# Altium PCB PCB_v6.PcbDoc (part 1 of 7) (continued)
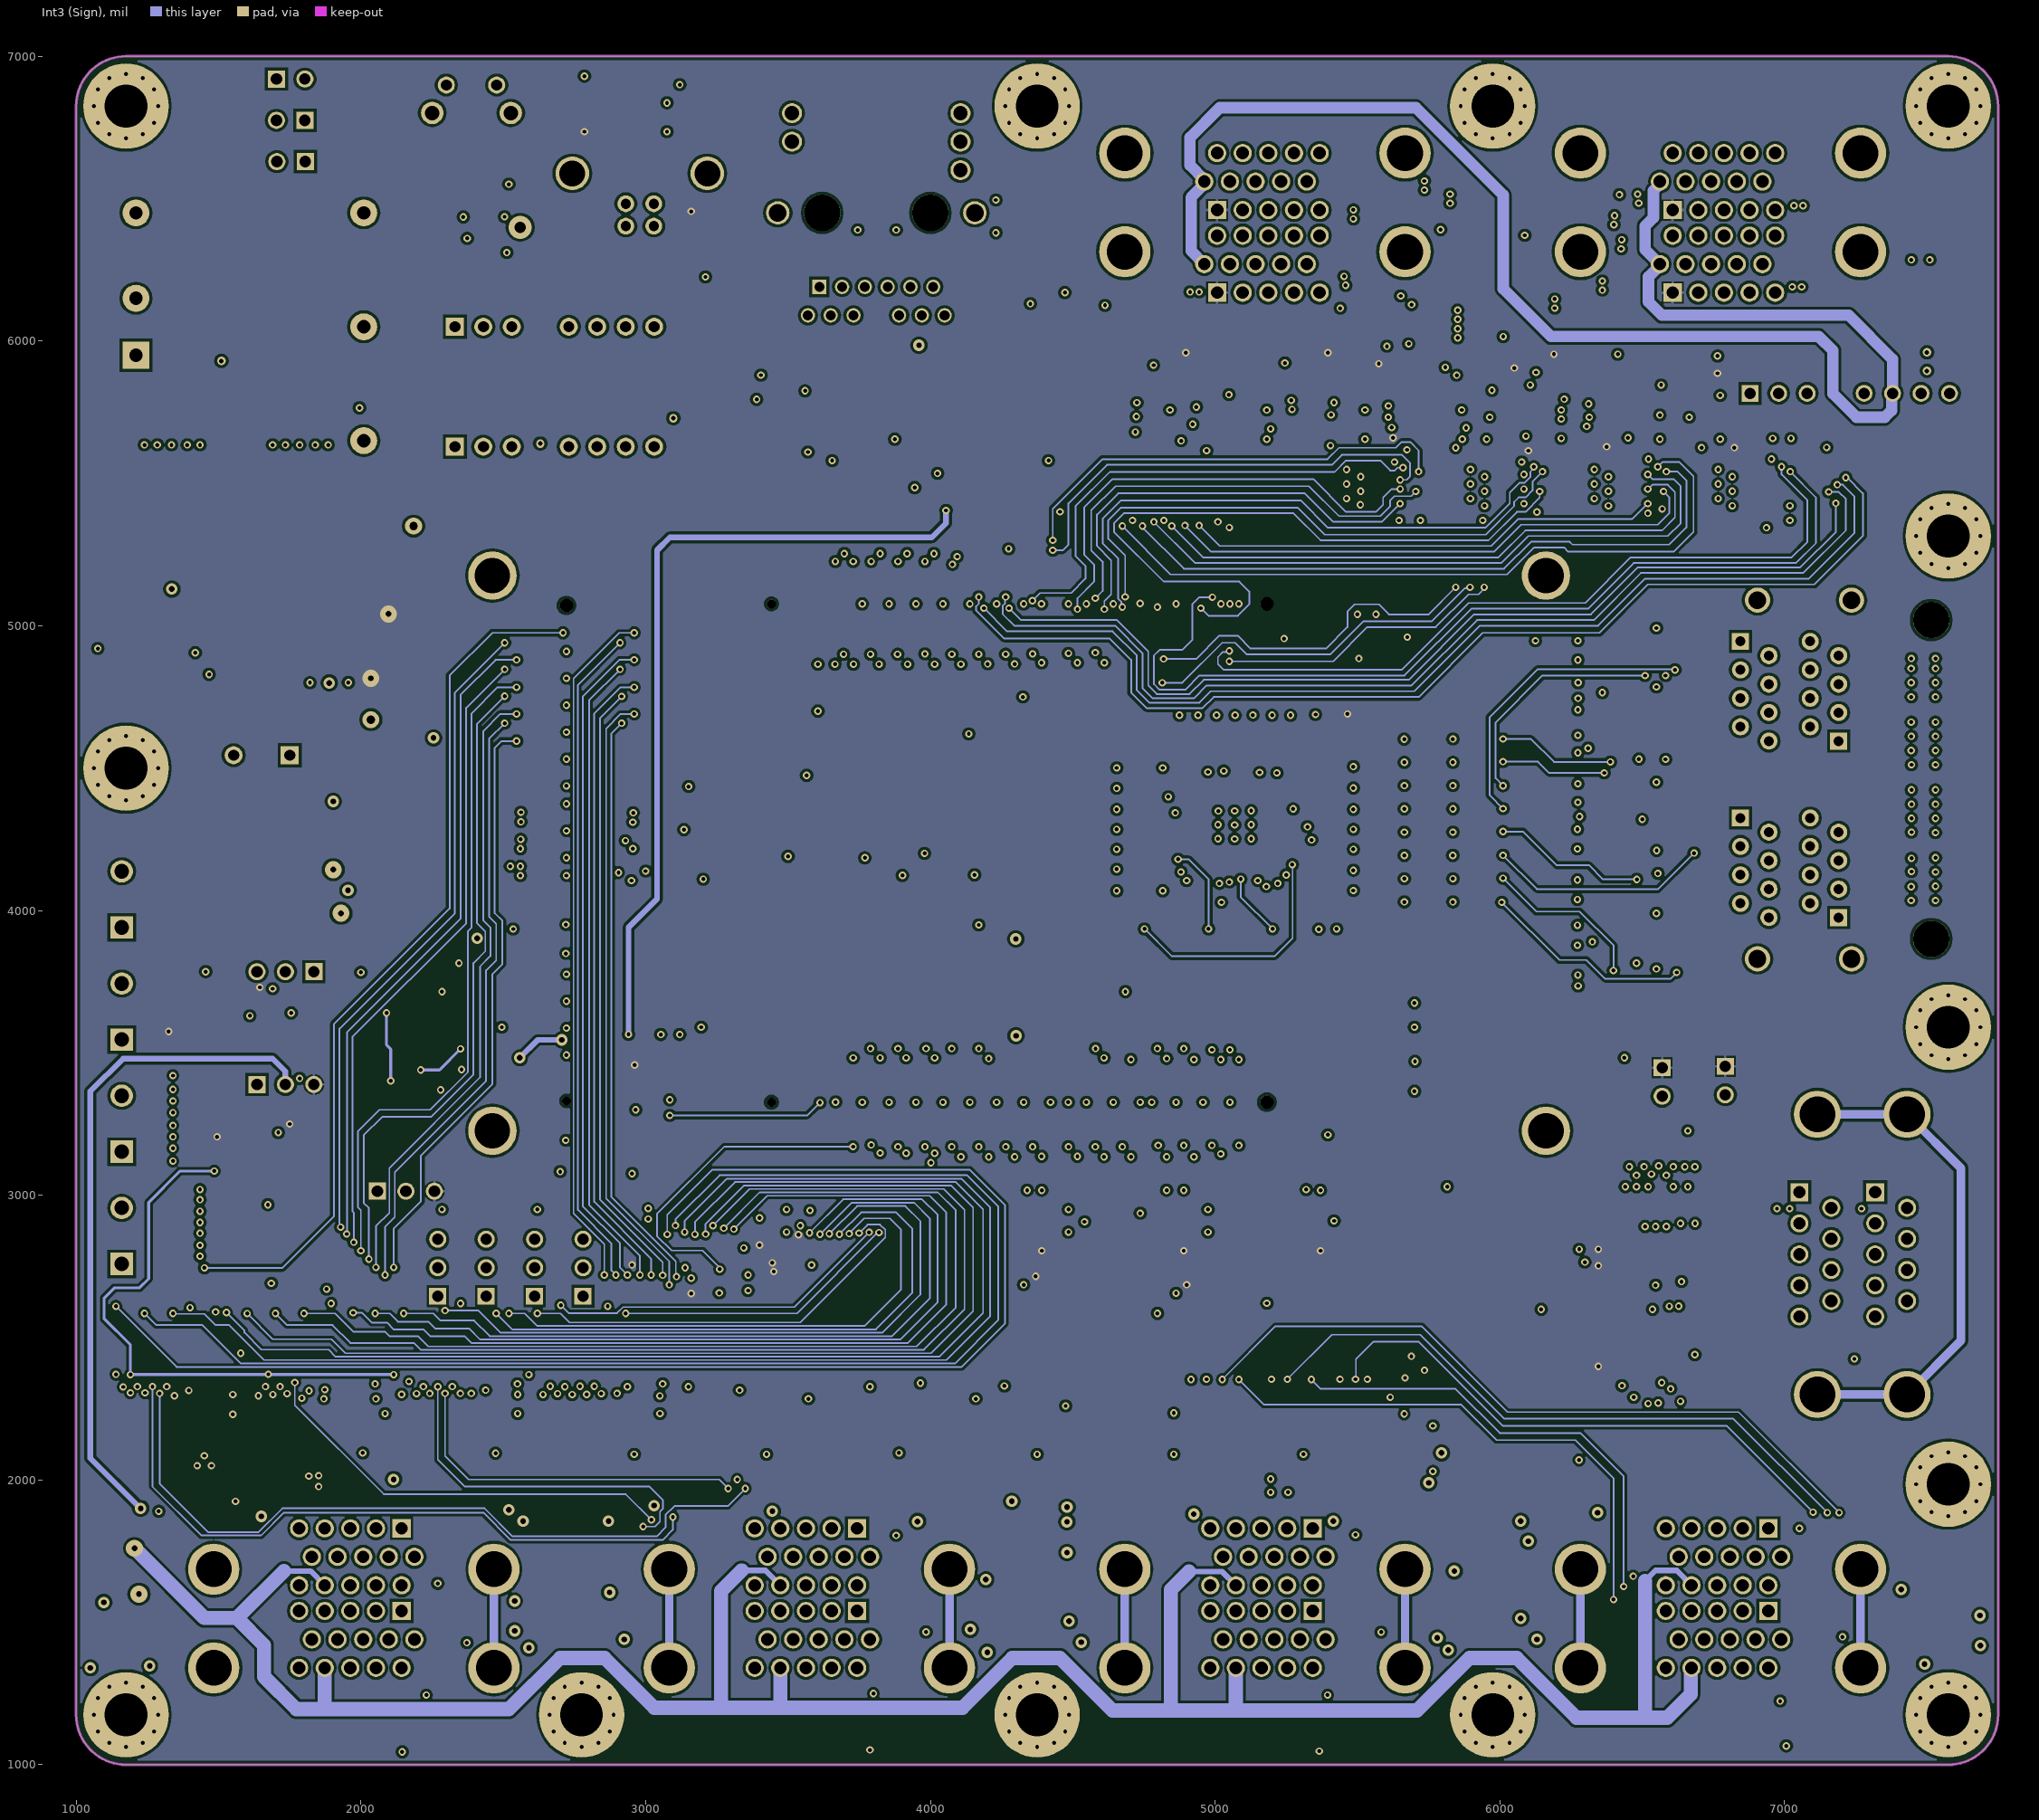
[diagram p4: Int3 (Sign)]
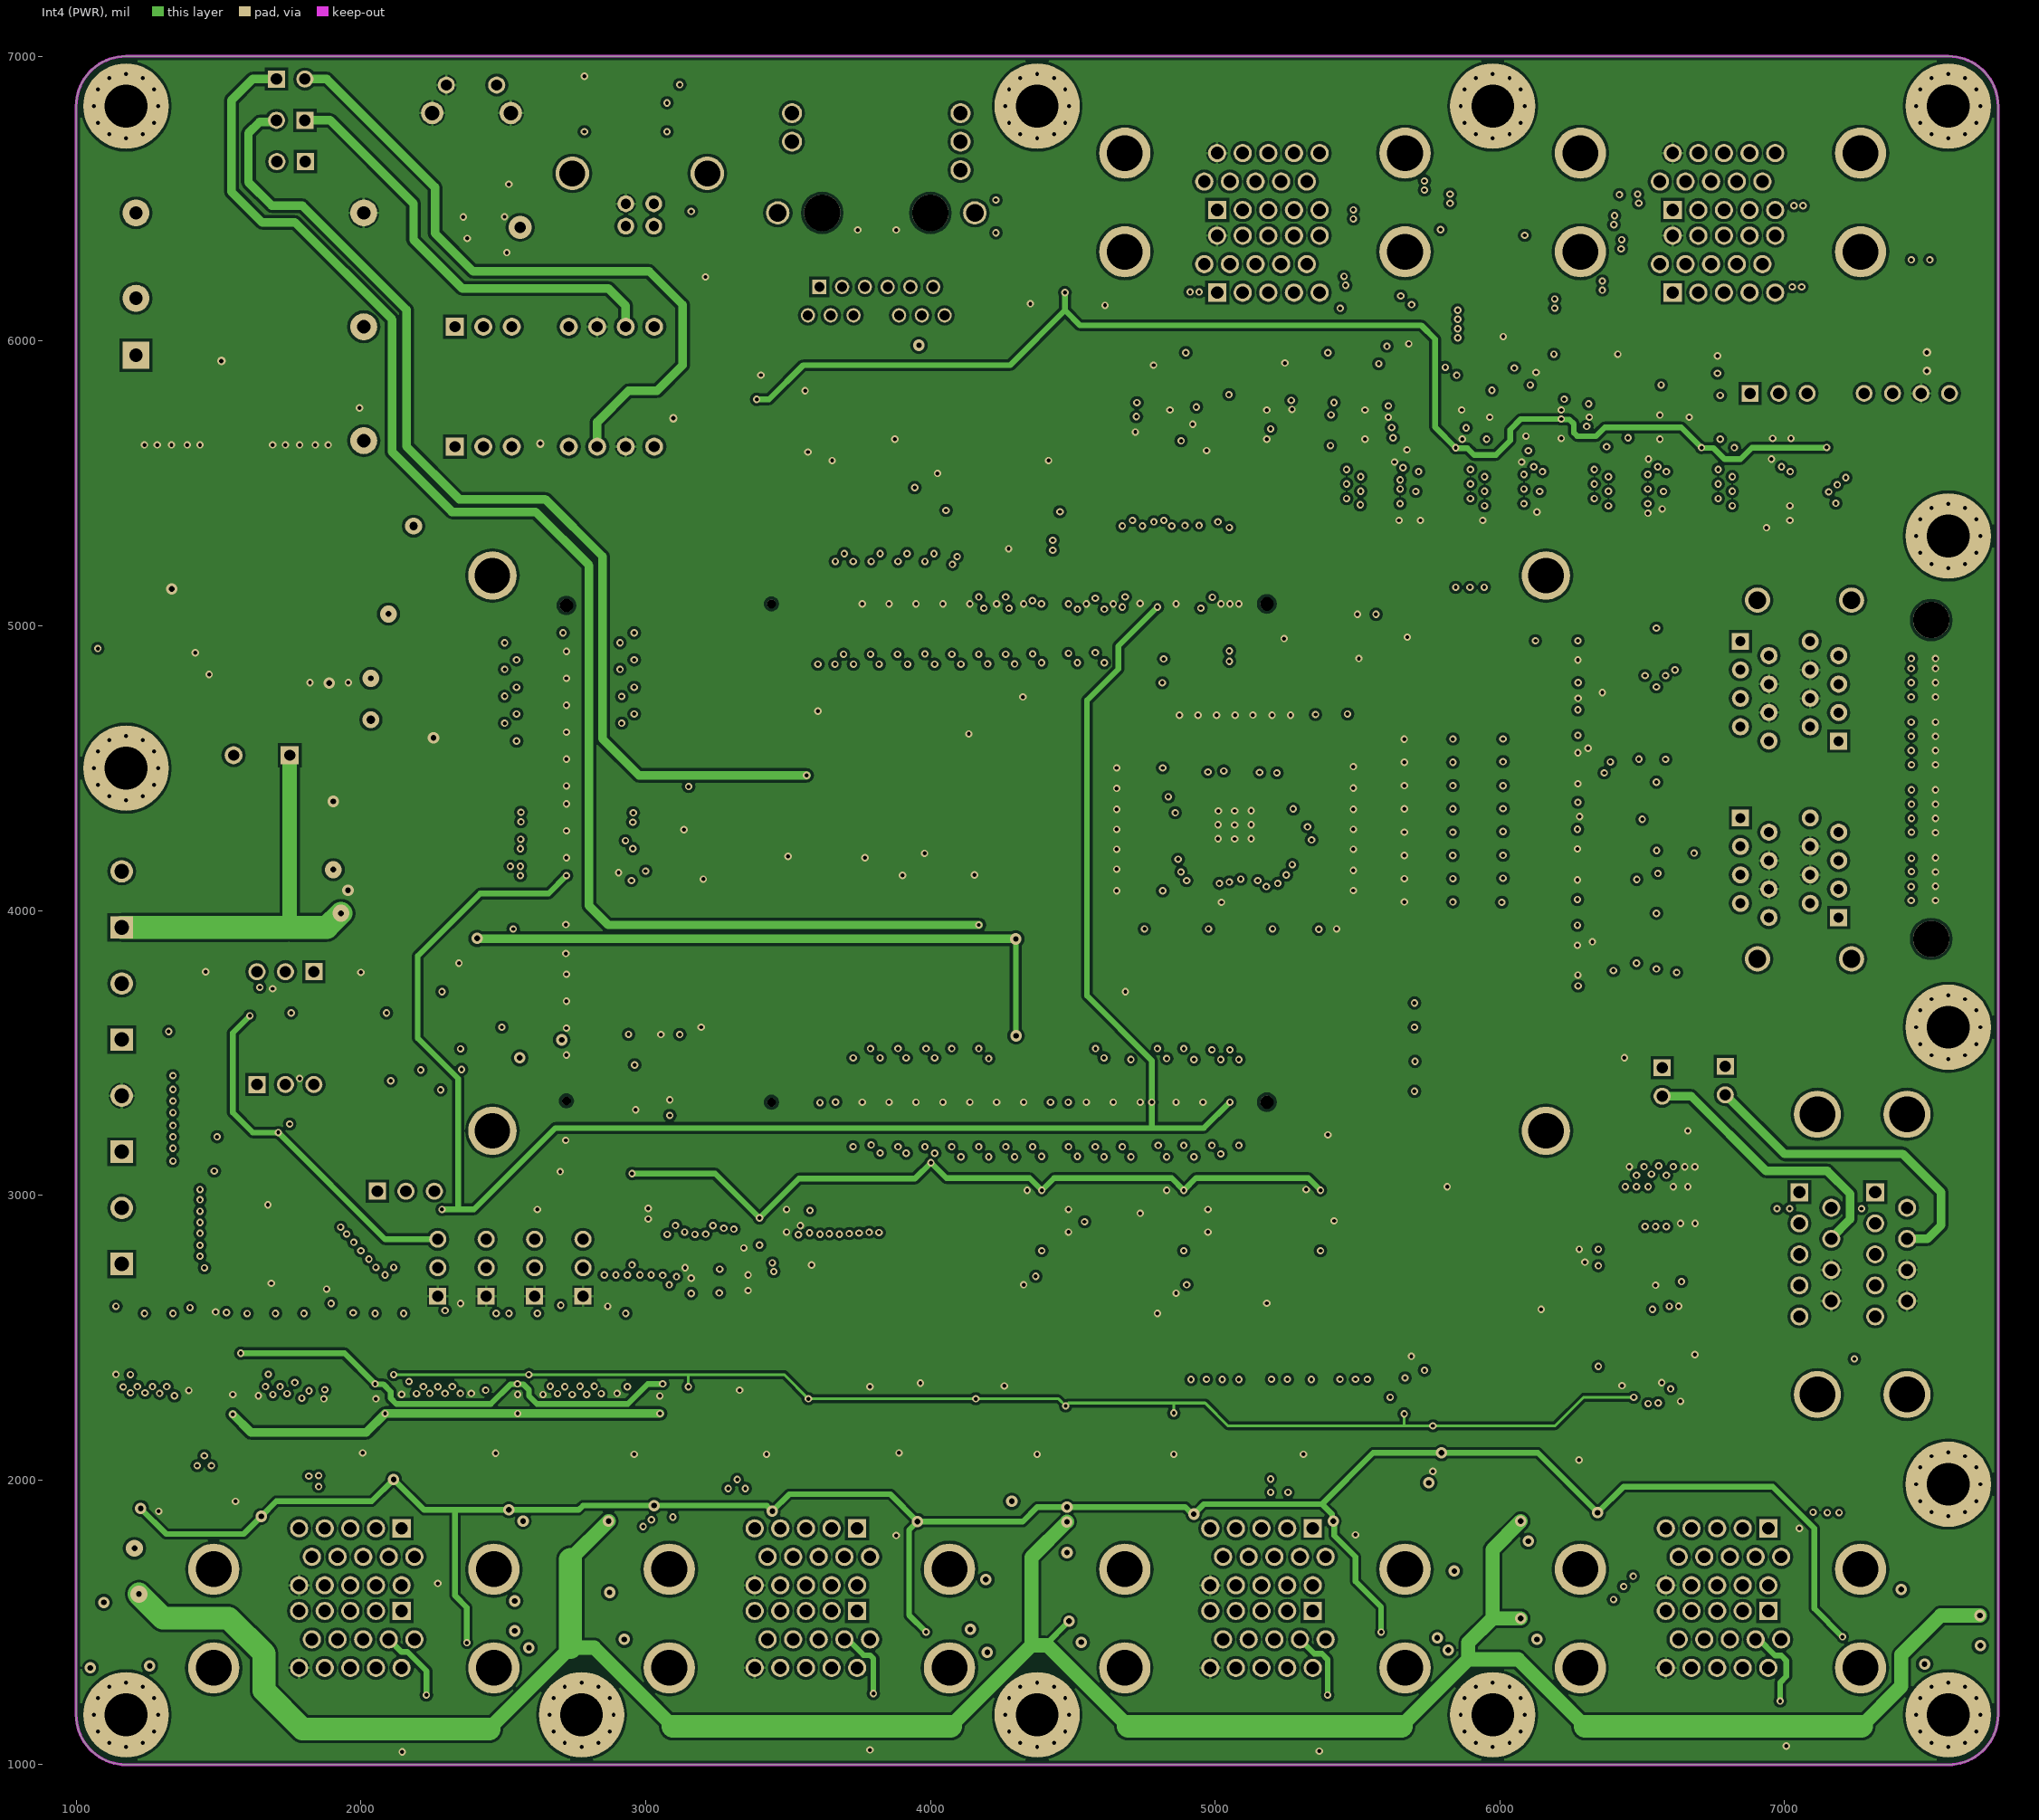
[diagram p5: Int4 (PWR)]

## Layer stack, top to bottom
Top Solder: solder mask 1, SM-001, Dk 4
Top Layer: signal copper 1.3779
Dielectric 1: prepreg 2.8, PP-006, Dk 4.1
Dielectric 2: prepreg 2.8, PP-006, Dk 4.1
Int1 (GND): signal copper 1.3779
Dielectric 3: core 18, Core-035, Dk 4.7
Int2 (Sign): signal copper 1.3779
Dielectric 4: prepreg 2.8, PP-006, Dk 4.1
Dielectric 5: prepreg 2.8, PP-006, Dk 4.1
Int3 (Sign): signal copper 1.3779
Dielectric 6: core 18, Core-035, Dk 4.7
Int4 (PWR): signal copper 1.3779
Dielectric 7: prepreg 2.8, PP-006, Dk 4.1
Dielectric 8: prepreg 2.8, PP-006, Dk 4.1
Bottom Layer: signal copper 1.3779
Bottom Solder: solder mask 1, SM-001, Dk 4

## Board outline
1000,1175 ccw(c1175,1175) 1175,1000 7575,1000 ccw(c7575,1175) 7750,1175 7750,6825 ccw(c7575,6825) 7575,7000 1175,7000 ccw(c1175,6825) 1000,6825

## Design rules (kind name [scope] priority, off if disabled: settings)
BoardOutlineClearance [All - (OnTopSilkscreen Or OnBottomSilkscreen)] p1: gap=15 ignorepadtopadclearanceinfootprint=FALSE
Clearance "Clearance Polygons" [InPolygon] p1: gap=10 ignorepadtopadclearanceinfootprint=FALSE except(0: Arc-Hole Track-Hole SMDPad-Hole THPad-Hole Via-Hole Fill-Hole Poly-Hole Region-Hole Text-Hole)
Clearance [All] p2: gap=6 ignorepadtopadclearanceinfootprint=FALSE
ComponentClearance "HM-TRP & UFL" [InComponent('X1') vs InComponent('U1')] p1: gap=0 collisioncheckmode=3 verticalgap=0 showdistances=FALSE
ComponentClearance [All] p2: gap=1 collisioncheckmode=3 verticalgap=1 showdistances=FALSE
DiffPairsRouting DiffPairsRouting_Ethernet [InDifferentialPair('ETH_MD1') Or InDifferentialPair('ETH_MD2') Or InDifferentialPair('ETH_MD3') Or InDifferentialPair('ETH_MD4')] p1: maxlimit=10 minlimit=10 mostfreqgap=10 substack1={0A97F11A-E963-48BA-B0ED-1BDE9A0F7617} toplayer_{0a97f11a-e963-48ba-b0ed-1bde9a0f7617}_minwidth=15 toplayer_{0a97f11a-e963-48ba-b0ed-1bde9a0f7617}_maxwidth=15 toplayer_{0a97f11a-e963-48ba-b0ed-1bde9a0f7617}_prefwidth=15 midlayer1_{0a97f11a-e963-48ba-b0ed-1bde9a0f7617}_minwidth=15 midlayer1_{0a97f11a-e963-48ba-b0ed-1bde9a0f7617}_maxwidth=15 midlayer1_{0a97f11a-e963-48ba-b0ed-1bde9a0f7617}_prefwidth=15 midlayer2_{0a97f11a-e963-48ba-b0ed-1bde9a0f7617}_minwidth=15 midlayer2_{0a97f11a-e963-48ba-b0ed-1bde9a0f7617}_maxwidth=15 midlayer2_{0a97f11a-e963-48ba-b0ed-1bde9a0f7617}_prefwidth=15 midlayer3_{0a97f11a-e963-48ba-b0ed-1bde9a0f7617}_minwidth=15 midlayer3_{0a97f11a-e963-48ba-b0ed-1bde9a0f7617}_maxwidth=15 midlayer3_{0a97f11a-e963-48ba-b0ed-1bde9a0f7617}_prefwidth=15 midlayer4_{0a97f11a-e963-48ba-b0ed-1bde9a0f7617}_minwidth=15 midlayer4_{0a97f11a-e963-48ba-b0ed-1bde9a0f7617}_maxwidth=15 midlayer4_{0a97f11a-e963-48ba-b0ed-1bde9a0f7617}_prefwidth=15 bottomlayer_{0a97f11a-e963-48ba-b0ed-1bde9a0f7617}_minwidth=15 bottomlayer_{0a97f11a-e963-48ba-b0ed-1bde9a0f7617}_maxwidth=15 bottomlayer_{0a97f11a-e963-48ba-b0ed-1bde9a0f7617}_prefwidth=15 toplayer_minwidth=8 toplayer_maxwidth=8 toplayer_prefwidth=8 midlayer1_minwidth=8 midlayer1_maxwidth=8 midlayer1_prefwidth=8 midlayer2_minwidth=8 midlayer2_maxwidth=8 midlayer2_prefwidth=8 midlayer3_minwidth=8 midlayer3_maxwidth=8 midlayer3_prefwidth=8 midlayer4_minwidth=8 midlayer4_maxwidth=8 midlayer4_prefwidth=8 bottomlayer_minwidth=8 bottomlayer_maxwidth=8 bottomlayer_prefwidth=8 maxuncoupledlength=500
DiffPairsRouting [All] p2: maxlimit=400 minlimit=6 mostfreqgap=6 substack1={0A97F11A-E963-48BA-B0ED-1BDE9A0F7617} toplayer_{0a97f11a-e963-48ba-b0ed-1bde9a0f7617}_minwidth=15 toplayer_{0a97f11a-e963-48ba-b0ed-1bde9a0f7617}_maxwidth=15 toplayer_{0a97f11a-e963-48ba-b0ed-1bde9a0f7617}_prefwidth=15 midlayer1_{0a97f11a-e963-48ba-b0ed-1bde9a0f7617}_minwidth=15 midlayer1_{0a97f11a-e963-48ba-b0ed-1bde9a0f7617}_maxwidth=15 midlayer1_{0a97f11a-e963-48ba-b0ed-1bde9a0f7617}_prefwidth=15 midlayer2_{0a97f11a-e963-48ba-b0ed-1bde9a0f7617}_minwidth=15 midlayer2_{0a97f11a-e963-48ba-b0ed-1bde9a0f7617}_maxwidth=15 midlayer2_{0a97f11a-e963-48ba-b0ed-1bde9a0f7617}_prefwidth=15 midlayer3_{0a97f11a-e963-48ba-b0ed-1bde9a0f7617}_minwidth=15 midlayer3_{0a97f11a-e963-48ba-b0ed-1bde9a0f7617}_maxwidth=15 midlayer3_{0a97f11a-e963-48ba-b0ed-1bde9a0f7617}_prefwidth=15 midlayer4_{0a97f11a-e963-48ba-b0ed-1bde9a0f7617}_minwidth=15 midlayer4_{0a97f11a-e963-48ba-b0ed-1bde9a0f7617}_maxwidth=15 midlayer4_{0a97f11a-e963-48ba-b0ed-1bde9a0f7617}_prefwidth=15 bottomlayer_{0a97f11a-e963-48ba-b0ed-1bde9a0f7617}_minwidth=15 bottomlayer_{0a97f11a-e963-48ba-b0ed-1bde9a0f7617}_maxwidth=15 bottomlayer_{0a97f11a-e963-48ba-b0ed-1bde9a0f7617}_prefwidth=15 toplayer_minwidth=6 toplayer_maxwidth=12 toplayer_prefwidth=8 midlayer1_minwidth=6 midlayer1_maxwidth=12 midlayer1_prefwidth=8 midlayer2_minwidth=6 midlayer2_maxwidth=12 midlayer2_prefwidth=8 midlayer3_minwidth=6 midlayer3_maxwidth=12 midlayer3_prefwidth=8 midlayer4_minwidth=6 midlayer4_maxwidth=12 midlayer4_prefwidth=8 bottomlayer_minwidth=6 bottomlayer_maxwidth=12 bottomlayer_prefwidth=8 maxuncoupledlength=500
Height [All] p1: minheight=0 maxheight=5000 prefheight=500
HoleSize [All] p1: absolutevalues=TRUE maxlimit=255.91 minlimit=11.81 maxpercent=80.000 minpercent=20.000
HoleToHoleClearance [All] p1: gap=10 allowstackedmicrovias=FALSE
MatchedLengths [InNetClass('Ethernet')] p1: tolerance=50 checknetsindiffpair=FALSE checkdiffpairvsdiffpair=TRUE checkxsignals=TRUE checkothers=TRUE
MinimumAnnularRing [All] p1: minimumring=6
MinimumSolderMaskSliver [All] p1: minsoldermaskwidth=6
PlaneClearance [All] p1: clearance=10
PlaneConnect [All] p1: planeconnectstyle=Relief reliefexpansion=4 reliefentries=4 reliefconductorwidth=6 reliefairgap=6
PolygonConnect "Via connect style" [isVia] p1: connectstyle=Direct reliefconductorwidth=10 reliefentries=4 polygonreliefangle="90 Angle" airgapwidth=10
PolygonConnect [All] p2: connectstyle=Relief reliefconductorwidth=10 reliefentries=4 polygonreliefangle="90 Angle" airgapwidth=6
RoutingCorners [All] p1: cornerstyle=45-Degree minsetback=50 maxsetback=50
RoutingVias [All] p1: holewidth=12 width=22 viastyle="Through Hole" minholewidth=12 minwidth=18 maxholewidth=150 maxwidth=200
SilkToSilkClearance [All] p1: silktosilkclearance=0
SilkToSolderMaskClearance [IsPad] p1: minsilkscreentomaskgap=5 clearancetoexposedcopper=TRUE
SolderMaskExpansion [All] p1: expansion=2.5 istentingtop=FALSE
UnRoutedNet [All] p1: checkbadconnections=TRUE
Width General [All] p1: maxlimit=100 minlimit=6 preferedwidth=10 substack1={0A97F11A-E963-48BA-B0ED-1BDE9A0F7617}
Width GND [InNet('GND')] p2: maxlimit=40 minlimit=10 preferedwidth=20 substack1={0A97F11A-E963-48BA-B0ED-1BDE9A0F7617}
Width Power [InNetClass('Power')] p3: maxlimit=40 minlimit=20 preferedwidth=30 substack1={0A97F11A-E963-48BA-B0ED-1BDE9A0F7617}
Width 3V3 [InNetClass('3V3')] p4: maxlimit=40 minlimit=10 preferedwidth=20 substack1={0A97F11A-E963-48BA-B0ED-1BDE9A0F7617}
18 further rules are at their usual default settings.

## Classes and differential pairs
component class U_TranslationGPIO_OUT_B: C93H C94H U31H
component class U_TranslationGPIO_OUT_A: C93G C94G U31G
component class U_JTAG_UART: C115 C116 CON13 M1 R18 R38 R98 R99 TP5 TP6 TP7 TP8 TP9 TP10 U45
net class Ethernet: ETH_MD1_N ETH_MD1_P ETH_MD2_N ETH_MD2_P ETH_MD3_N ETH_MD3_P ETH_MD4_N ETH_MD4_P
component class U_AnalogConditioning: R57 R75 R76 R77 R78 R79
component class U_TranslationGPIO_IN_B: C93F C94F U31F
component class U_TranslationGPIO_IN_A: C93E C94E U31E
channel class TranslationDir8Chan: U_TranslationStsA U_TranslationStsB U_TranslationStsC U_TranslationStsD
component class U_DriveInterface: C110 C111 C112 JP1 R48 R49 U42 U43
component class U_AnalogInterface: C98 C117 R82 U2
component class U_GPIO: C65 C66 C67 C68 C69 C70 CON9 CON11 R19 R20 U9 U22 U33 U34 U46 U47 U48 U49 U50
channel class AnalogSigCond: AnalogSigCond_A AnalogSigCond_B AnalogSigCond_C AnalogSigCond_D
component class U_Power_InrushLimit: C91 C92 U30
component class AnalogSigCond_B: C77B C79B C81B C82B C84B C85B C86B C88B C118B C119B R60B R61B R62B R63B U28B U29B
component class AnalogSigCond_A: C77A C79A C81A C82A C84A C85A C86A C88A C118A C119A R60A R61A R62A R63A U28A U29A
component class U_BackPage: FID1 FID2 FID3 FID4 FID5 FID6 FID7 FID8 FID9 FID10 FID11 FID12 FID13 MH1 MH2 MH3 MH4 MH5 MH6 MH7 MH8 MH9 MH10 MH11 MH12 MH13
component class U_TranslationStsB: C93B C94B C143J C144J C145J C146J U31B U31J
component class U_TranslationStsA: C93A C94A C143I C144I C145I C146I U31A U31I
component class U_TranslationStsD: C93D C94D C143L C144L C145L C146L U31D U31L
component class U_TranslationStsC: C93C C94C C143K C144K C145K C146K U31C U31K
channel class LVHV8ChanTranslation: U_LVHV8ChanTranslation1 U_LVHV8ChanTranslation2 U_LVHV8ChanTranslation3 U_LVHV8ChanTranslation4 U_LVHV8ChanTranslation5 U_LVHV8ChanTranslation6
channel class InverterConnector: InverterConnector1AB InverterConnector2AB InverterConnector3AB InverterConnector4AB
component class U_Power_Protection: C78 C80 C108 C109 C118 C119 C122 D6 Q3 R55 R56 R58 R59 R83 U26
component class U_InverterConnectors: D5 JP15 R22 R23 R24 R25 R26 R27 R28 R29 R30 R31 R32 R33 R34 R35 R36 R37
component class U_Power: C35 C36 C37 C38 C39 C40 C41 C42 C43 C44 C45 C46 C47 C48 C49 C50 C51 C52 C53 C54 C55 C56 C57 C58 C59 C60 C61 C62 C63 C64 C95 C96 C97 C147 C150 JP8 JP9 JP10 L1 L2 R39 R40 R41 R42 R43 R44 R45 R46 R47 R64 R65 R70 R71 R72 R73 R74 R92 U7 U11 U12 U13 U14 U15 U16 U17 U18 U19 U20 U21
component class U_PicoZed: C83 C87 C89 C90 C104 C105 C106 C107 SOM1 U27
component class U_LVHV8ChanTranslation6: C71F C72F C73F C74F C75F C76F C135F C136F C137F C138F C139F C140F C141F C142F U23F U24F U25F U30F
component class U_LVHV8ChanTranslation5: C71E C72E C73E C74E C75E C76E C135E C136E C137E C138E C139E C140E C141E C142E U23E U24E U25E U30E
component class U_LVHV8ChanTranslation4: C71D C72D C73D C74D C75D C76D C141D C142D U23D U24D U25D U30D
component class U_LVHV8ChanTranslation3: C71C C72C C73C C74C C75C C76C C141C C142C U23C U24C U25C U30C
component class U_LVHV8ChanTranslation2: C71B C72B C73B C74B C75B C76B C141B C142B U23B U24B U25B
component class U_LVHV8ChanTranslation1: C71A C72A C73A C74A C75A C76A C141A C142A U23A U24A U25A
component class U_InverterTranslation: JP4 JP5 JP6 JP7
component class U_Gb_Ethernet: C31 C32 C33 C34 CON7 R10
component class U_Encoder: C27 C28 C29 C30 CON6 JP2 JP3 R9 R11 R12 R13 R14 R15 R16 U4 U5 U6
component class U_BoardIO: C24 C25 C26 C99 C100 C101 C102 C103 C113 C114 CON2 CON3 CON4 CON5 JP11 JP12 LED1 LED2 LED3 Q1 Q2 R2 R3 R4 R5 R6 R7 R8 R21 SW1 U3 U8 U10 U32 U39 U40 U41 U44
component class U_AnalogConnectors: CON1 R1 R84 R85 R86 R87 R88 R89 R90 R91 U35 U36 U37 U38
component class U_AnalogADC: C1 C2 C3 C4 C5 C6 C7 C8 C9 C10 C11 C12 C13 C14 C15 C16 C17 C18 C19 C20 C21 C22 C23 R80 R81 TP1 TP2 TP3 TP4 U1
component class InverterConnector4AB: CON10D R17D R30D R93D R94D R95D R96D RT1D RT2D RT3D RT4D RT5D RT6D RT7D RT8D RT9D RT10D RT11D RT12D
component class InverterConnector3AB: CON10C R17C R30C R93C R94C R95C R96C RT1C RT2C RT3C RT4C RT5C RT6C RT7C RT8C RT9C RT10C RT11C RT12C
component class InverterConnector2AB: CON10B R17B R30B R93B R94B R95B R96B RT1B RT2B RT3B RT4B RT5B RT6B RT7B RT8B RT9B RT10B RT11B RT12B
component class InverterConnector1AB: CON10A R17A R30A R93A R94A R95A R96A RT1A RT2A RT3A RT4A RT5A RT6A RT7A RT8A RT9A RT10A RT11A RT12A
differential pair USB_D: +USB_D_P -USB_D_N
differential pair GPIO4_OUT3: +GPIO4_OUT3_P -GPIO4_OUT3_N
differential pair GPIO4_OUT2: +GPIO4_OUT2_P -GPIO4_OUT2_N
differential pair GPIO4_OUT1: +GPIO4_OUT1_P -GPIO4_OUT1_N
differential pair GPIO4_IN3: +GPIO4_IN3_P -GPIO4_IN3_N
differential pair GPIO4_IN2: +GPIO4_IN2_P -GPIO4_IN2_N
differential pair GPIO4_IN1: +GPIO4_IN1_P -GPIO4_IN1_N
differential pair GPIO3_OUT3: +GPIO3_OUT3_P -GPIO3_OUT3_N
differential pair GPIO3_OUT2: +GPIO3_OUT2_P -GPIO3_OUT2_N
differential pair GPIO3_OUT1: +GPIO3_OUT1_P -GPIO3_OUT1_N
differential pair GPIO3_IN3: +GPIO3_IN3_P -GPIO3_IN3_N
differential pair GPIO3_IN2: +GPIO3_IN2_P -GPIO3_IN2_N
differential pair GPIO3_IN1: +GPIO3_IN1_P -GPIO3_IN1_N
differential pair GPIO2_OUT3: +GPIO2_OUT3_P -GPIO2_OUT3_N
differential pair GPIO2_OUT2: +GPIO2_OUT2_P -GPIO2_OUT2_N
differential pair GPIO2_OUT1: +GPIO2_OUT1_P -GPIO2_OUT1_N
differential pair GPIO2_IN3: +GPIO2_IN3_P -GPIO2_IN3_N
differential pair GPIO2_IN2: +GPIO2_IN2_P -GPIO2_IN2_N
differential pair GPIO2_IN1: +GPIO2_IN1_P -GPIO2_IN1_N
differential pair GPIO1_OUT3: +GPIO1_OUT3_P -GPIO1_OUT3_N
differential pair GPIO1_OUT2: +GPIO1_OUT2_P -GPIO1_OUT2_N
differential pair GPIO1_OUT1: +GPIO1_OUT1_P -GPIO1_OUT1_N
differential pair GPIO1_IN3: +GPIO1_IN3_P -GPIO1_IN3_N
differential pair GPIO1_IN2: +GPIO1_IN2_P -GPIO1_IN2_N
differential pair GPIO1_IN1: +GPIO1_IN1_P -GPIO1_IN1_N
differential pair ANLG8: +ANLG_P4 -ANLG_N4
differential pair ANLG7: +ANLG_P5 -ANLG_N5
differential pair ANLG6: +ANLG_P1 -ANLG_N1
differential pair ANLG5: +ANLG_P8 -ANLG_N8
differential pair ANLG4: +ANLG_P7 -ANLG_N7
differential pair ANLG3: +ANLG_P2 -ANLG_N2
differential pair ANLG2: +ANLG_P3 -ANLG_N3
differential pair ANLG1: +ANLG_P6 -ANLG_N6
differential pair ETH_MD4: +ETH_MD4_P -ETH_MD4_N
differential pair ETH_MD3: +ETH_MD3_P -ETH_MD3_N
differential pair ETH_MD2: +ETH_MD2_P -ETH_MD2_N
differential pair ETH_MD1: +ETH_MD1_P -ETH_MD1_N

## Components (designator, comment, footprint, x,y, rotation, side; value= is the part's Value field where it differs from the comment)
C1 "Capacitor" 0603-CAP 4730,4215 r180 bottom value=10uF
C2 "Capacitor" 0603-CAP 5005,4610 r90 bottom value=10uF
C3 "Capacitor" 0603-CAP 5135,4610 r90 bottom value=10uF
C4 "Capacitor" 0603-CAP 5410,4070 r0 bottom value=10uF
C5 "Capacitor" 0603-CAP 5070,4610 r90 bottom value=1uF
C6 "Capacitor" 0603-CAP 5265,4610 r90 bottom value=0.1uF
C7 "Capacitor" 0603-CAP 5200,4610 r90 bottom value=0.1uF
C8 "Capacitor" 0603-CAP 5409.94,4140.96 r0 bottom value=10uF
C9 "Capacitor" 0603-CAP 5410,4215 r0 bottom value=0.1uF
C10 "Capacitor" 0603-CAP 4950.55,4059 r0 bottom value=0.1uF
C11 "Capacitor" 0603-CAP 4940,4610 r90 bottom value=0.1uF
C12 "Capacitor" 0603-CAP 4730,4355 r180 bottom value=0.1uF
C13 "Capacitor" 0603-CAP 5410,4430 r0 bottom value=10uF
C14 "Capacitor" 0603-CAP 5410,4505 r0 bottom value=0.1uF
C15 "Capacitor" 0603-CAP 5095,4060 r180 bottom value=0.1uF
C16 "Capacitor" 0603-CAP 4730,4285 r180 bottom value=0.1uF
C17 "Capacitor" 0603-CAP 4875,4610 r90 bottom value=0.1uF
C18 "Capacitor" 0603-CAP 4730.08,4069 r180 bottom value=10uF
C19 "Capacitor" 0603-CAP 4730,4145 r180 bottom value=0.1uF
C20 "Capacitor" 0603-CAP 5410,4355 r0 bottom value=0.1uF
C21 "Capacitor" 0603-CAP 5410,4285 r0 bottom value=0.1uF
C22 "Capacitor" 0603-CAP 4730.08,4428.8 r180 bottom value=10uF
C23 "Capacitor" 0603-CAP 4730.08,4500.77 r180 bottom value=0.1uF
C24 "Capacitor" 0603-CAP 3606.54,4780 r90 bottom value=0.1uF
C25 "Capacitor" 0603-CAP 1360,3907.5 r180 bottom value=0.1uF
C26 "Capacitor" 0603-CAP 3297.89,2560.47 r270 top value=1uF
C27 "Capacitor" 0603-CAP 6389.98,2717.22 r90 top value=0.1uF
C28 "Capacitor" 0603-CAP 6389.98,2365.25 r90 top value=0.1uF
C29 "Capacitor" 0603-CAP 6311.73,2866.8 r180 top value=0.1uF
C30 "Capacitor" 0603-CAP 6379.65,3295 r90 top value=0.1uF
C31 "Capacitor" 0603-CAP 4009.92,6305 r270 bottom value=0.1uF
C32 "Capacitor" 0603-CAP 3880,6300 r270 bottom value=0.1uF
C33 "Capacitor" 0603-CAP 3610,6300 r270 bottom value=0.1uF
C34 "Capacitor" 0603-CAP 3745,6300 r270 bottom value=0.1uF
C35 "Capacitor" 1808-CAP 2630,5520 r0 bottom value="1000pF, 2kV"
C36 "Capacitor" 1808-CAP 2530,5740 r0 bottom value="1000pF, 2kV"
C37 "Capacitor" 1812-CAP 2113.91,4481.33 r0 top value="6.8uF, 50V"
C38 "Capacitor" 1812-CAP 1280,4800 r0 top value="6.8uF, 50V"
C39 "Capacitor" 0603-CAP 2896.63,5530 r180 bottom value=10uF
C40 "Capacitor" 1812-CAP 2330,5480 r0 bottom value="6.8uF, 50V"
C41 "Capacitor" 1808-CAP 2630,5940 r0 bottom value="1000pF, 2kV"
C42 "Capacitor" 1808-CAP 2507.06,6200 r0 bottom value="1000pF, 2kV"
C43 "Capacitor" 0603-CAP 3086.82,3511.11 r180 bottom value=1uF
C44 "Capacitor" 0603-CAP 2863.16,5940 r180 bottom value=10uF
C45 "Capacitor" 0603-CAP 2962.52,3375.41 r270 bottom value=1uF
C46 "Capacitor" 1812-CAP 2370,5915 r0 bottom value="6.8uF, 50V"
C47 "Capacitor" 1808-CAP 1651.39,5740 r0 bottom value="1000pF, 2kV"
C48 "Capacitor" 1808-CAP 1651.39,6310 r0 bottom value="1000pF, 2kV"
C49 "Capacitor" 1812-CAP 1403.39,6027.48 r270 bottom value="6.8uF, 50V"
C50 "Capacitor" 0603-CAP 1905,5820 r180 bottom value=10uF
C51 "Capacitor" 0603-CAP 2030.3,3887.33 r270 bottom value=10uF
C52 "Capacitor" 0603-CAP 2269.89,3815 r0 bottom value=10uF
C53 "Capacitor" 0603-CAP 2685,3255 r0 bottom value=10uF